# Altium PCB WX0.000.863拼板.PcbDoc (part 3 of 15)
Units mm, origin at the board's own origin, x right, y up, seen from the top; angles counter-clockwise.
Board outline 150.37 x 286.89 mm, 2 copper layers (Top Layer, Bottom Layer); 840 components, 0 nets, 2516 pads, 1604 vias.
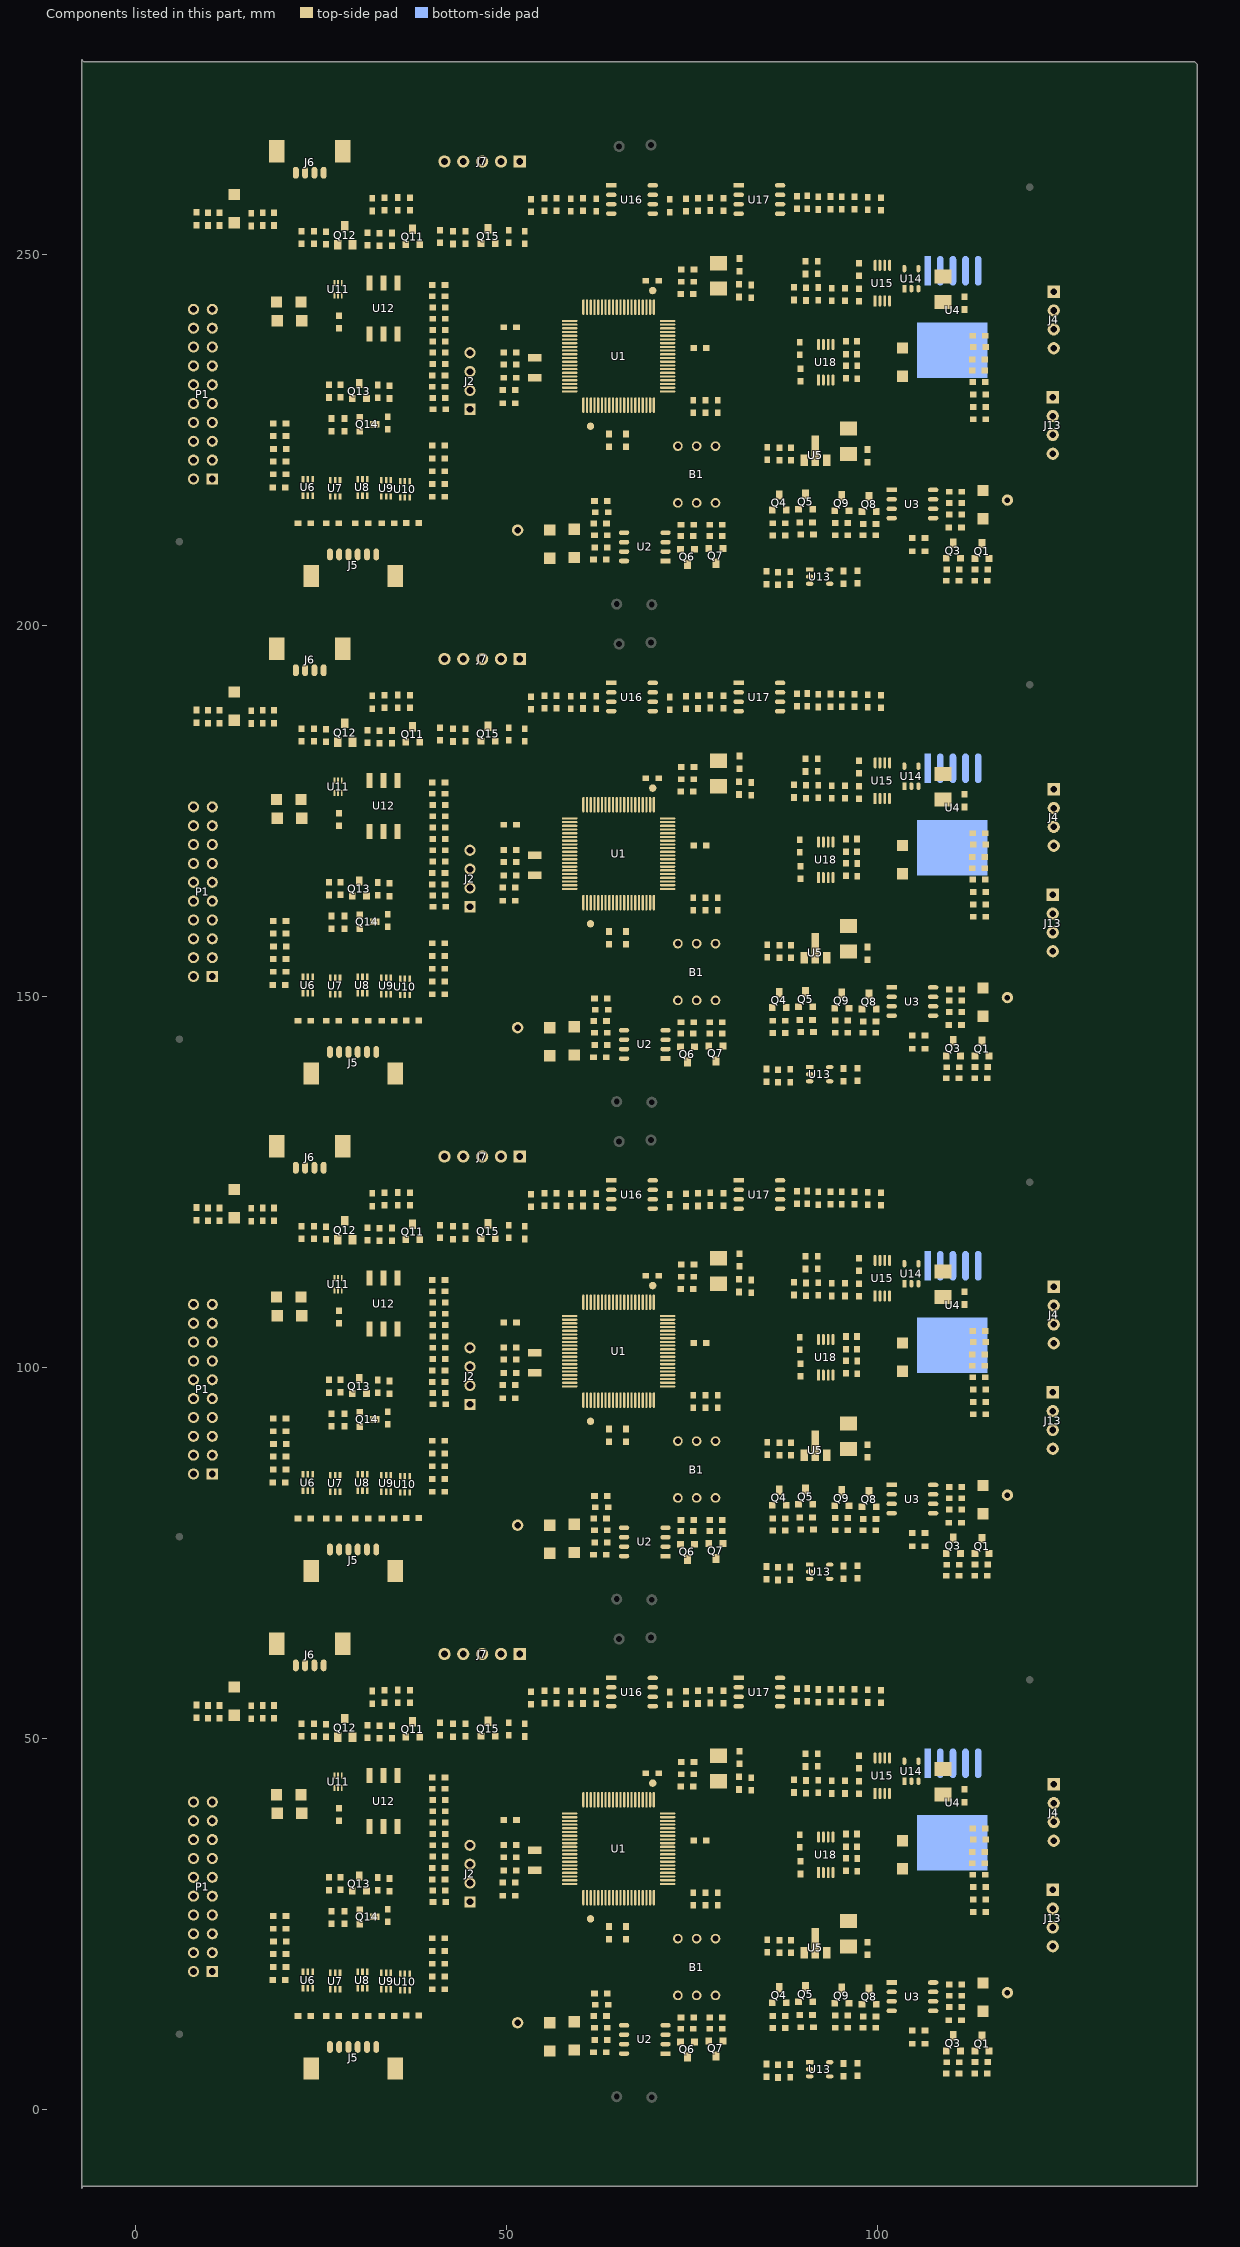
[diagram p3: the components of this part, seen from the top]

## Via types
v1: diameter 0.635, hole 0.381, Top Layer to Bottom Layer, tented both sides, 1604 vias

## Nets (pads, with @x,y where several pads share a name; then routed paths per layer and width w, separated by ;. In a path a pad name is that pad's centre, name@x,y a point inside that pad or via, vN(x,y) a via of type N, cw(c..) or ccw(c..) an arc to the next point about the centre after c; other vN are vias at no path point) (continued)
copper on no net: (continued)
  Top Layer w0.203: 7.823,28.06 cw(c7.823,26.495) 8.93,27.602 cw(c10.037,28.709) 8.472,28.709 ; 7.823,28.263 cw(c7.823,27.189) 8.583,27.949 cw(c9.343,28.709) 8.268,28.709 ; 7.823,28.709 9.068,27.464 9.068,22.911 9.576,22.403 10.973,22.403 v1(11.684,21.692) ; 7.823,33.789 8.879,33.789 ; 7.823,36.329 8.426,36.329 9.525,35.23 11.176,35.23 12.924,36.977 27.275,36.977 28.067,37.77 28.854,37.77 29.896,36.728 37.516,36.728 v1@38.456,37.668 ; 7.823,95.116 cw(c7.823,93.551) 8.93,94.658 cw(c10.037,95.765) 8.472,95.765 ; 7.823,95.319 cw(c7.823,94.245) 8.583,95.005 cw(c9.343,95.765) 8.268,95.765 ; 7.823,95.765 9.068,94.52 9.068,89.967 9.576,89.459 10.973,89.459 v1(11.684,88.748) ; 7.823,100.845 8.879,100.845 ; 7.823,103.385 8.426,103.385 9.525,102.286 11.176,102.286 12.924,104.033 27.275,104.033 28.067,104.826 28.854,104.826 29.896,103.784 37.516,103.784 v1@38.456,104.724 ; 7.823,162.172 cw(c7.823,160.607) 8.93,161.714 cw(c10.037,162.821) 8.472,162.821 ; 7.823,162.375 cw(c7.823,161.301) 8.583,162.061 cw(c9.343,162.821) 8.268,162.821 ; 7.823,162.821 9.068,161.576 9.068,157.023 9.576,156.515 10.973,156.515 v1(11.684,155.804) ; 7.823,167.901 8.879,167.901 ; 7.823,170.441 8.426,170.441 9.525,169.342 11.176,169.342 12.924,171.089 27.275,171.089 28.067,171.882 28.854,171.882 29.896,170.84 37.516,170.84 v1@38.456,171.78 ; 7.823,229.228 cw(c7.823,227.663) 8.93,228.77 cw(c10.037,229.877) 8.472,229.877 ; 7.823,229.431 cw(c7.823,228.357) 8.583,229.117 cw(c9.343,229.877) 8.268,229.877 ; 7.823,229.877 9.068,228.632 9.068,224.079 9.576,223.571 10.973,223.571 v1(11.684,222.86) ; 7.823,234.957 8.879,234.957 ; 7.823,237.497 8.426,237.497 9.525,236.398 11.176,236.398 12.924,238.145 27.275,238.145 28.067,238.938 28.854,238.938 29.896,237.896 37.516,237.896 v1@38.456,238.836 ; 7.825,36.29 cw(c7.9,34.932) 8.861,35.894 ; 7.825,103.346 cw(c7.9,101.988) 8.861,102.95 ; 7.825,170.402 cw(c7.9,169.044) 8.861,170.006 ; 7.825,237.458 cw(c7.9,236.1) 8.861,237.062 ; 7.836,36.087 cw(c7.933,34.322) 9.183,35.572 ; 7.836,103.143 cw(c7.933,101.378) 9.183,102.628 ; 7.836,170.199 cw(c7.933,168.434) 9.183,169.684 ; 7.836,237.255 cw(c7.933,235.49) 9.183,236.74 ; 7.848,35.884 cw(c7.966,33.712) 9.505,35.25 ; 7.848,102.94 cw(c7.966,100.768) 9.505,102.306 ; 7.848,169.996 cw(c7.966,167.824) 9.505,169.362 ; 7.848,237.052 cw(c7.966,234.88) 9.505,236.418 ; 8.255,54.471 11.264,54.471 11.328,54.407 11.557,54.635 v1(13.513,54.635) ; 8.255,121.527 11.264,121.527 11.328,121.463 11.557,121.691 v1(13.513,121.691) ; 8.255,188.583 11.264,188.583 11.328,188.519 11.557,188.747 v1(13.513,188.747) ; 8.255,255.639 11.264,255.639 11.328,255.575 11.557,255.803 v1(13.513,255.803) ; 8.402,33.496 cw(c8.879,33.254) 8.879,33.789 ; 8.402,34.082 ccw(c8.879,34.323) 8.879,33.789 ; 8.402,100.552 cw(c8.879,100.31) 8.879,100.845 ; 8.402,101.138 ccw(c8.879,101.379) 8.879,100.845 ; 8.402,167.608 cw(c8.879,167.366) 8.879,167.901 ; 8.402,168.194 ccw(c8.879,168.435) 8.879,167.901 ; 8.402,234.664 cw(c8.879,234.422) 8.879,234.957 ; 8.402,235.25 ccw(c8.879,235.491) 8.879,234.957 ; 8.461,54.264 cw(c8.96,53.765) 8.96,54.471 cw(c8.96,55.176) 8.461,54.677 ; 8.461,121.32 cw(c8.96,120.821) 8.96,121.527 cw(c8.96,122.232) 8.461,121.733 ; 8.461,188.376 cw(c8.96,187.877) 8.96,188.583 cw(c8.96,189.288) 8.461,188.789 ; 8.461,255.432 cw(c8.96,254.933) 8.96,255.639 cw(c8.96,256.344) 8.461,255.845 ; 9.068,54.471 cw(c9.068,53.721) 9.597,54.251 ; 9.068,121.527 cw(c9.068,120.777) 9.597,121.307 ; 9.068,188.583 cw(c9.068,187.833) 9.597,188.363 ; 9.068,255.639 cw(c9.068,254.889) 9.597,255.419 ; 9.13,54.471 ccw(c9.13,55.132) 9.597,54.664 ; 9.13,121.527 ccw(c9.13,122.188) 9.597,121.72 ; 9.13,188.583 ccw(c9.13,189.244) 9.597,188.776 ; 9.13,255.639 ccw(c9.13,256.3) 9.597,255.832 ; 9.452,39.831 ccw(c8.537,40.746) 9.754,41.187 ; 9.452,106.887 ccw(c8.537,107.802) 9.754,108.243 ; 9.452,173.943 ccw(c8.537,174.858) 9.754,175.299 ; 9.452,240.999 ccw(c8.537,241.914) 9.754,242.355 ; 9.678,40.056 ccw(c8.868,40.866) 9.945,41.257 ; 9.678,107.112 ccw(c8.868,107.922) 9.945,108.313 ; 9.678,174.168 ccw(c8.868,174.978) 9.945,175.369 ; 9.678,241.224 ccw(c8.868,242.034) 9.945,242.425 ; 9.904,40.282 ccw(c9.199,40.986) 10.136,41.326 ; 9.904,107.338 ccw(c9.199,108.042) 10.136,108.382 ; 9.904,174.394 ccw(c9.199,175.098) 10.136,175.438 ; 9.904,241.45 ccw(c9.199,242.154) 10.136,242.494 ; 10.011,54.251 cw(c10.54,53.721) 10.54,54.471 ; 10.011,54.664 ccw(c10.478,55.132) 10.478,54.471 ; 10.011,121.307 cw(c10.54,120.777) 10.54,121.527 ; 10.011,121.72 ccw(c10.478,122.188) 10.478,121.527 ; 10.011,188.363 cw(c10.54,187.833) 10.54,188.583 ; 10.011,188.776 ccw(c10.478,189.244) 10.478,188.583 ; 10.011,255.419 cw(c10.54,254.889) 10.54,255.639 ; 10.011,255.832 ccw(c10.478,256.3) 10.478,255.639 ; 10.13,40.508 ccw(c9.531,41.107) 10.327,41.395 ; 10.13,107.564 ccw(c9.531,108.163) 10.327,108.451 ; 10.13,174.62 ccw(c9.531,175.219) 10.327,175.507 ; 10.13,241.676 ccw(c9.531,242.275) 10.327,242.563 ; 10.363,33.789 14.358,33.789 17.145,36.576 28.143,36.576 28.346,36.779 28.423,36.779 v1(28.448,36.805) ; 10.363,36.329 11.452,37.418 ; 10.363,38.869 10.578,38.869 11.227,38.22 23.336,38.22 24.257,39.141 24.257,40.877 25.14,41.76 33.475,41.76 34.773,40.462 38.846,40.462 40.05,41.667 40.05,41.677 ; 10.363,41.409 10.363,40.742 9.119,39.497 9.119,38.202 9.501,37.819 23.502,37.819 24.658,38.975 24.658,40.711 25.306,41.359 26.748,41.359 26.755,41.351 33.316,41.351 34.606,40.061 38.044,40.061 39.294,38.811 ; 10.363,100.845 14.358,100.845 17.145,103.632 28.143,103.632 28.346,103.835 28.423,103.835 v1(28.448,103.861) ; 10.363,103.385 11.452,104.474 ; 10.363,105.925 10.578,105.925 11.227,105.276 23.336,105.276 24.257,106.197 24.257,107.933 25.14,108.816 33.475,108.816 34.773,107.518 38.846,107.518 40.05,108.723 40.05,108.733 ; 10.363,108.465 10.363,107.798 9.119,106.553 9.119,105.258 9.501,104.875 23.502,104.875 24.658,106.031 24.658,107.767 25.306,108.415 26.748,108.415 26.755,108.407 33.316,108.407 34.606,107.117 38.044,107.117 39.294,105.867 ; 10.363,167.901 14.358,167.901 17.145,170.688 28.143,170.688 28.346,170.891 28.423,170.891 v1(28.448,170.917) ; 10.363,170.441 11.452,171.53 ; 10.363,172.981 10.578,172.981 11.227,172.332 23.336,172.332 24.257,173.253 24.257,174.989 25.14,175.872 33.475,175.872 34.773,174.574 38.846,174.574 40.05,175.779 40.05,175.789 ; 10.363,175.521 10.363,174.854 9.119,173.609 9.119,172.314 9.501,171.931 23.502,171.931 24.658,173.087 24.658,174.823 25.306,175.471 26.748,175.471 26.755,175.463 33.316,175.463 34.606,174.173 38.044,174.173 39.294,172.923 ; 10.363,234.957 14.358,234.957 17.145,237.744 28.143,237.744 28.346,237.947 28.423,237.947 v1(28.448,237.973) ; 10.363,237.497 11.452,238.586 ; 10.363,240.037 10.578,240.037 11.227,239.388 23.336,239.388 24.257,240.309 24.257,242.045 25.14,242.928 33.475,242.928 34.773,241.63 38.846,241.63 40.05,242.835 40.05,242.845 ; 10.363,242.577 10.363,241.91 9.119,240.665 9.119,239.37 9.501,238.987 23.502,238.987 24.658,240.143 24.658,241.879 25.306,242.527 26.748,242.527 26.755,242.519 33.316,242.519 34.606,241.229 38.044,241.229 39.294,239.979 ; 10.368,36.774 ccw(c10.38,37.807) 11.111,37.076 ccw(c11.841,36.346) 10.808,36.334 ; 10.368,103.83 ccw(c10.38,104.863) 11.111,104.132 ccw(c11.841,103.402) 10.808,103.39 ; 10.368,170.886 ccw(c10.38,171.919) 11.111,171.188 ccw(c11.841,170.458) 10.808,170.446 ; 10.368,237.942 ccw(c10.38,238.975) 11.111,238.244 ccw(c11.841,237.514) 10.808,237.502 ; 10.371,36.977 ccw(c10.388,38.481) 11.452,37.417 ; 10.371,104.033 ccw(c10.388,105.537) 11.452,104.473 ; 10.371,171.089 ccw(c10.388,172.593) 11.452,171.529 ; 10.371,238.145 ccw(c10.388,239.649) 11.452,238.585 ; 10.526,38.454 cw(c10.727,37.944) 11.115,38.332 ; 10.526,105.51 cw(c10.727,105) 11.115,105.388 ; 10.526,172.566 cw(c10.727,172.056) 11.115,172.444 ; 10.526,239.622 cw(c10.727,239.112) 11.115,239.5 ; 10.592,54.471 cw(c10.592,53.721) 11.121,54.251 ; 10.592,121.527 cw(c10.592,120.777) 11.121,121.307 ; 10.592,188.583 cw(c10.592,187.833) 11.121,188.363 ; 10.592,255.639 cw(c10.592,254.889) 11.121,255.419 ; 10.654,54.471 ccw(c10.654,55.132) 11.121,54.664 ; 10.654,121.527 ccw(c10.654,122.188) 11.121,121.72 ; 10.654,188.583 ccw(c10.654,189.244) 11.121,188.776 ; 10.654,255.639 ccw(c10.654,256.3) 11.121,255.832 ; 10.678,33.474 cw(c11.438,32.714) 11.438,33.789 cw(c11.438,34.863) 10.678,34.103 ; 10.678,100.53 cw(c11.438,99.77) 11.438,100.845 cw(c11.438,101.919) 10.678,101.159 ; 10.678,167.586 cw(c11.438,166.826) 11.438,167.901 cw(c11.438,168.975) 10.678,168.215 ; 10.678,234.642 cw(c11.438,233.882) 11.438,234.957 cw(c11.438,236.031) 10.678,235.271 ; 10.822,33.33 cw(c11.929,32.223) 11.929,33.789 cw(c11.929,35.354) 10.822,34.247 ; 10.822,100.386 cw(c11.929,99.279) 11.929,100.845 cw(c11.929,102.41) 10.822,101.303 ; 10.822,167.442 cw(c11.929,166.335) 11.929,167.901 cw(c11.929,169.466) 10.822,168.359 ; 10.822,234.498 cw(c11.929,233.391) 11.929,234.957 cw(c11.929,236.522) 10.822,235.415 ; 11.012,36.336 cw(c12.516,36.354) 11.452,37.417 ; 11.012,103.392 cw(c12.516,103.41) 11.452,104.473 ; 11.012,170.448 cw(c12.516,170.466) 11.452,171.529 ; 11.012,237.504 cw(c12.516,237.522) 11.452,238.585 ; 11.391,54.395 cw(c11.972,53.814) 11.972,54.635 ; 11.391,121.451 cw(c11.972,120.87) 11.972,121.691 ; 11.391,188.507 cw(c11.972,187.926) 11.972,188.747 ; 11.391,255.563 cw(c11.972,254.982) 11.972,255.803 ; v1@11.468,21.692 ccw(c10.947,21.692) 11.315,22.06 ccw(c11.684,22.429) v1@11.684,21.907 ; v1@11.468,88.748 ccw(c10.947,88.748) 11.315,89.116 ccw(c11.684,89.485) v1@11.684,88.963 ; v1@11.468,155.804 ccw(c10.947,155.804) 11.315,156.172 ccw(c11.684,156.541) v1@11.684,156.019 ; v1@11.468,222.86 ccw(c10.947,222.86) 11.315,223.228 ccw(c11.684,223.597) v1@11.684,223.075 ; 11.535,54.251 cw(c12.462,53.323) 12.462,54.635 ; 11.535,121.307 cw(c12.462,120.379) 12.462,121.691 ; 11.535,188.363 cw(c12.462,187.435) 12.462,188.747 ; 11.535,255.419 cw(c12.462,254.491) 12.462,255.803 ; v1@13.36,54.483 ccw(c12.992,54.114) 12.992,54.635 ccw(c12.992,55.157) v1@13.36,54.788 ; v1@13.36,121.539 ccw(c12.992,121.17) 12.992,121.691 ccw(c12.992,122.213) v1@13.36,121.844 ; v1@13.36,188.595 ccw(c12.992,188.226) 12.992,188.747 ccw(c12.992,189.269) v1@13.36,188.9 ; v1@13.36,255.651 ccw(c12.992,255.282) 12.992,255.803 ccw(c12.992,256.325) v1@13.36,255.956 ; v1(15.291,50.724) 15.316,50.698 16.637,50.698 17.475,49.86 17.475,46.507 ; v1(15.291,117.78) 15.316,117.754 16.637,117.754 17.475,116.916 17.475,113.563 ; v1(15.291,184.836) 15.316,184.81 16.637,184.81 17.475,183.972 17.475,180.619 ; v1(15.291,251.892) 15.316,251.866 16.637,251.866 17.475,251.028 17.475,247.675 ; v1@15.443,50.571 cw(c15.751,50.264) 15.751,50.698 ; v1@15.443,50.876 ccw(c15.873,51.306) 15.873,50.698 ; v1@15.443,117.627 cw(c15.751,117.32) 15.751,117.754 ; v1@15.443,117.932 ccw(c15.873,118.362) 15.873,117.754 ; v1@15.443,184.683 cw(c15.751,184.376) 15.751,184.81 ; v1@15.443,184.988 ccw(c15.873,185.418) 15.873,184.81 ; v1@15.443,251.739 cw(c15.751,251.432) 15.751,251.866 ; v1@15.443,252.044 ccw(c15.873,252.474) 15.873,251.866 ; 15.621,54.001 cw(c15.621,53.389) 16.054,53.821 ; 15.621,54.344 15.621,54.254 17.17,52.705 ; 15.621,121.057 cw(c15.621,120.445) 16.054,120.877 ; 15.621,121.4 15.621,121.31 17.17,119.761 ; 15.621,188.113 cw(c15.621,187.501) 16.054,187.933 ; 15.621,188.456 15.621,188.366 17.17,186.817 ; 15.621,255.169 cw(c15.621,254.557) 16.054,254.989 ; 15.621,255.512 15.621,255.422 17.17,253.873 ; 15.913,54.293 ccw(c16.712,54.293) 16.147,53.728 ; 15.913,121.349 ccw(c16.712,121.349) 16.147,120.784 ; 15.913,188.405 ccw(c16.712,188.405) 16.147,187.84 ; 15.913,255.461 ccw(c16.712,255.461) 16.147,254.896 ; v1@16.053,24.561 cw(c15.149,23.648) 16.434,23.648 ; v1@16.053,91.617 cw(c15.149,90.704) 16.434,90.704 ; v1@16.053,158.673 cw(c15.149,157.76) 16.434,157.76 ; v1@16.053,225.729 cw(c15.149,224.816) 16.434,224.816 ; v1@16.196,24.705 cw(c15.632,24.135) 16.434,24.135 ; v1@16.196,91.761 cw(c15.632,91.191) 16.434,91.191 ; v1@16.196,158.817 cw(c15.632,158.247) 16.434,158.247 ; v1@16.196,225.873 cw(c15.632,225.303) 16.434,225.303 ; v1(16.205,24.714) 16.434,24.486 16.434,23.673 17.043,23.063 ; v1(16.205,91.77) 16.434,91.542 16.434,90.729 17.043,90.119 ; v1(16.205,158.826) 16.434,158.598 16.434,157.785 17.043,157.175 ; v1(16.205,225.882) 16.434,225.654 16.434,224.841 17.043,224.231 ; 16.585,53.29 ccw(c17.17,53.876) 17.17,53.048 ; 16.585,120.346 ccw(c17.17,120.932) 17.17,120.104 ; 16.585,187.402 ccw(c17.17,187.988) 17.17,187.16 ; 16.585,254.458 ccw(c17.17,255.044) 17.17,254.216 ; 16.707,53.168 cw(c16.295,52.756) 16.878,52.756 ; 16.707,120.224 cw(c16.295,119.812) 16.878,119.812 ; 16.707,187.28 cw(c16.295,186.868) 16.878,186.868 ; 16.707,254.336 cw(c16.295,253.924) 16.878,253.924 ; 16.963,52.448 cw(c16.465,51.949) 17.17,51.949 cw(c17.875,51.949) 17.377,52.448 ; 16.963,119.504 cw(c16.465,119.005) 17.17,119.005 cw(c17.875,119.005) 17.377,119.504 ; 16.963,186.56 cw(c16.465,186.061) 17.17,186.061 cw(c17.875,186.061) 17.377,186.56 ; 16.963,253.616 cw(c16.465,253.117) 17.17,253.117 cw(c17.875,253.117) 17.377,253.616 ; v1@17.219,20.681 cw(c17.024,20.422) 17.348,20.422 ; v1@17.219,87.737 cw(c17.024,87.478) 17.348,87.478 ; v1@17.219,154.793 cw(c17.024,154.534) 17.348,154.534 ; v1@17.219,221.849 cw(c17.024,221.59) 17.348,221.59 ; v1(17.221,24.282) 18.555,24.282 18.593,24.32 ; v1(17.221,91.338) 18.555,91.338 18.593,91.376 ; v1(17.221,158.394) 18.555,158.394 18.593,158.433 ; v1(17.221,225.45) 18.555,225.45 18.593,225.488 ; v1@17.302,22.934 ccw(c17.043,22.739) 17.043,23.063 ; v1@17.302,23.193 cw(c17.043,23.387) 17.043,23.063 ; v1@17.302,89.99 ccw(c17.043,89.795) 17.043,90.119 ; v1@17.302,90.249 cw(c17.043,90.443) 17.043,90.119 ; v1@17.302,157.046 ccw(c17.043,156.851) 17.043,157.175 ; v1@17.302,157.305 cw(c17.043,157.499) 17.043,157.175 ; v1@17.302,224.102 ccw(c17.043,223.907) 17.043,224.231 ; v1@17.302,224.361 cw(c17.043,224.555) 17.043,224.231 ; v1(17.348,20.853) 17.348,20.422 ; v1(17.348,87.909) 17.348,87.478 ; v1(17.348,154.965) 17.348,154.534 ; v1(17.348,222.021) 17.348,221.59 ; v1@17.374,24.13 cw(c17.742,23.761) 17.742,24.282 cw(c17.742,24.804) v1@17.374,24.435 ; v1@17.374,91.186 cw(c17.742,90.817) 17.742,91.338 cw(c17.742,91.86) v1@17.374,91.491 ; v1@17.374,158.242 cw(c17.742,157.873) 17.742,158.394 cw(c17.742,158.916) v1@17.374,158.547 ; v1@17.374,225.298 cw(c17.742,224.929) 17.742,225.45 cw(c17.742,225.972) v1@17.374,225.603 ; 17.377,52.498 cw(c17.875,52) 17.875,52.705 cw(c17.875,53.41) 17.377,52.912 ; 17.377,119.554 cw(c17.875,119.056) 17.875,119.761 cw(c17.875,120.466) 17.377,119.968 ; 17.377,186.61 cw(c17.875,186.112) 17.875,186.817 cw(c17.875,187.522) 17.377,187.024 ; 17.377,253.666 cw(c17.875,253.168) 17.875,253.873 cw(c17.875,254.578) 17.377,254.08 ; 17.475,44.12 17.475,46.507 ; 17.475,111.176 17.475,113.563 ; 17.475,178.232 17.475,180.619 ; 17.475,245.288 17.475,247.675 ; v1@17.478,20.681 ccw(c17.672,20.422) 17.348,20.422 ; v1@17.478,87.737 ccw(c17.672,87.478) 17.348,87.478 ; v1@17.478,154.793 ccw(c17.672,154.534) 17.348,154.534 ; v1@17.478,221.849 ccw(c17.672,221.59) 17.348,221.59 ; v1@17.501,21.806 cw(c17.501,21.285) 17.869,21.653 cw(c18.238,22.022) v1@17.716,22.022 ; v1(17.501,22.022) 18.593,20.93 18.593,20.892 ; v1@17.501,88.862 cw(c17.501,88.341) 17.869,88.709 cw(c18.238,89.078) v1@17.716,89.078 ; v1(17.501,89.078) 18.593,87.986 18.593,87.947 ; v1@17.501,155.918 cw(c17.501,155.397) 17.869,155.765 cw(c18.238,156.134) v1@17.716,156.134 ; v1(17.501,156.134) 18.593,155.042 18.593,155.004 ; v1@17.501,222.974 cw(c17.501,222.453) 17.869,222.821 cw(c18.238,223.19) v1@17.716,223.19 ; v1(17.501,223.19) 18.593,222.098 18.593,222.059 ; v1@17.628,22.911 cw(c17.996,22.542) 17.996,23.063 cw(c17.996,23.584) v1@17.628,23.216 ; v1@17.628,89.967 cw(c17.996,89.598) 17.996,90.119 cw(c17.996,90.64) v1@17.628,90.272 ; v1@17.628,157.023 cw(c17.996,156.654) 17.996,157.175 cw(c17.996,157.696) v1@17.628,157.328 ; v1@17.628,224.079 cw(c17.996,223.71) 17.996,224.231 cw(c17.996,224.752) v1@17.628,224.384 ; 17.745,24.282 ccw(c17.745,25.118) 18.335,24.527 ; 17.745,91.338 ccw(c17.745,92.174) 18.335,91.583 ; 17.745,158.394 ccw(c17.745,159.23) 18.335,158.639 ; 17.745,225.45 ccw(c17.745,226.286) 18.335,225.695 ; v1@17.771,23.063 cw(c17.771,22.299) 18.484,22.574 ; v1@17.771,90.119 cw(c17.771,89.355) 18.484,89.63 ; v1@17.771,157.175 cw(c17.771,156.411) 18.484,156.686 ; v1@17.771,224.231 cw(c17.771,223.467) 18.484,223.742 ; 17.793,40.576 ccw(c18.376,41.16) 18.793,40.448 ; 17.793,107.632 ccw(c18.376,108.216) 18.793,107.504 ; 17.793,174.688 ccw(c18.376,175.272) 18.793,174.56 ; 17.793,241.744 ccw(c18.376,242.328) 18.793,241.616 ; 17.929,24.282 cw(c17.929,23.707) 18.335,24.114 ; 17.929,91.338 cw(c17.929,90.763) 18.335,91.17 ; 17.929,158.394 cw(c17.929,157.819) 18.335,158.226 ; 17.929,225.45 cw(c17.929,224.875) 18.335,225.282 ; 17.979,40.39 ccw(c18.513,40.925) 18.895,40.273 ; 17.979,107.446 ccw(c18.513,107.981) 18.895,107.329 ; 17.979,174.502 ccw(c18.513,175.037) 18.895,174.385 ; 17.979,241.558 ccw(c18.513,242.093) 18.895,241.441 ; 17.98,21.542 cw(c17.33,20.892) 18.25,20.892 ; 17.98,88.598 cw(c17.33,87.947) 18.25,87.947 ; 17.98,155.654 cw(c17.33,155.004) 18.25,155.004 ; 17.98,222.71 cw(c17.33,222.059) 18.25,222.059 ; 17.983,46.66 17.983,47.193 ; 17.983,113.716 17.983,114.249 ; 17.983,180.772 17.983,181.305 ; 17.983,247.828 17.983,248.361 ; 18.007,19.762 cw(c17.422,19.177) 18.25,19.177 ; 18.007,86.818 cw(c17.422,86.233) 18.25,86.233 ; 18.007,153.874 cw(c17.422,153.289) 18.25,153.289 ; 18.007,220.93 cw(c17.422,220.345) 18.25,220.345 ; 18.068,23.063 cw(c18.068,22.413) 18.674,22.647 ; 18.068,90.119 cw(c18.068,89.469) 18.674,89.703 ; 18.068,157.175 cw(c18.068,156.525) 18.674,156.759 ; 18.068,224.231 cw(c18.068,223.581) 18.674,223.815 ; 18.13,19.64 ccw(c18.542,20.052) 18.542,19.469 ; 18.13,86.696 ccw(c18.542,87.108) 18.542,86.525 ; 18.13,153.752 ccw(c18.542,154.164) 18.542,153.581 ; 18.13,220.808 ccw(c18.542,221.22) 18.542,220.637 ; 18.136,23.089 cw(c17.776,22.729) 18.279,22.651 ; 18.136,90.145 cw(c17.776,89.785) 18.279,89.707 ; 18.136,157.201 cw(c17.776,156.841) 18.279,156.763 ; 18.136,224.257 cw(c17.776,223.897) 18.279,223.819 ; 18.155,23.069 ccw(c18.567,23.481) 18.567,22.898 ; 18.155,90.125 ccw(c18.567,90.537) 18.567,89.954 ; 18.155,157.181 ccw(c18.567,157.593) 18.567,157.01 ; 18.155,224.237 ccw(c18.567,224.649) 18.567,224.066 ; 18.165,40.204 ccw(c18.651,40.69) 18.998,40.097 ; 18.165,107.26 ccw(c18.651,107.746) 18.998,107.153 ; 18.165,174.316 ccw(c18.651,174.802) 18.998,174.209 ; 18.165,241.372 ccw(c18.651,241.858) 18.998,241.265 ; 18.194,17.242 ccw(c17.907,17.058) 17.907,17.399 ; 18.194,17.556 cw(c17.907,17.74) 17.907,17.399 ; 18.194,84.298 ccw(c17.907,84.114) 17.907,84.455 ; 18.194,84.612 cw(c17.907,84.796) 17.907,84.455 ; 18.194,151.354 ccw(c17.907,151.17) 17.907,151.511 ; 18.194,151.668 cw(c17.907,151.852) 17.907,151.511 ; 18.194,218.41 ccw(c17.907,218.226) 17.907,218.567 ; 18.194,218.724 cw(c17.907,218.908) 17.907,218.567 ; 18.195,21.327 ccw(c18.542,21.674) 18.542,21.184 ; 18.195,88.383 ccw(c18.542,88.73) 18.542,88.24 ; 18.195,155.439 ccw(c18.542,155.786) 18.542,155.296 ; 18.195,222.495 ccw(c18.542,222.842) 18.542,222.352 ; 18.295,22.501 ccw(c17.475,22.185) v1(17.475,23.063) ; 18.295,89.557 ccw(c17.475,89.241) v1(17.475,90.119) ; 18.295,156.613 ccw(c17.475,156.297) v1(17.475,157.175) ; 18.295,223.669 ccw(c17.475,223.353) v1(17.475,224.231) ; 18.351,40.018 ccw(c18.788,40.455) 19.101,39.922 ; 18.351,107.074 ccw(c18.788,107.511) 19.101,106.978 ; 18.351,174.13 ccw(c18.788,174.567) 19.101,174.034 ; 18.351,241.186 ccw(c18.788,241.623) 19.101,241.09 ; 18.365,42.431 ccw(c17.056,42.506) 17.983,43.434 ; 18.365,109.487 ccw(c17.056,109.562) 17.983,110.49 ; 18.365,176.543 ccw(c17.056,176.618) 17.983,177.546 ; 18.365,243.599 ccw(c17.056,243.674) 17.983,244.602 ; 18.487,52.498 ccw(c17.989,52) 17.989,52.705 ccw(c17.989,53.41) 18.487,52.912 ; 18.487,119.554 ccw(c17.989,119.056) 17.989,119.761 ccw(c17.989,120.466) 18.487,119.968 ; 18.487,186.61 ccw(c17.989,186.112) 17.989,186.817 ccw(c17.989,187.522) 18.487,187.024 